# Altium PCB OAI_KPA_Power_Module.PcbDoc (part 2 of 3)
Units mm, origin at the board's own origin, x right, y up, seen from the top; angles counter-clockwise.
Board outline 150.02 x 64.8 mm, 4 copper layers (Top Layer, Mid-Layer 1, Internal Plane 2, Bottom Layer); 170 components, 188 nets, 852 pads, 320 vias.
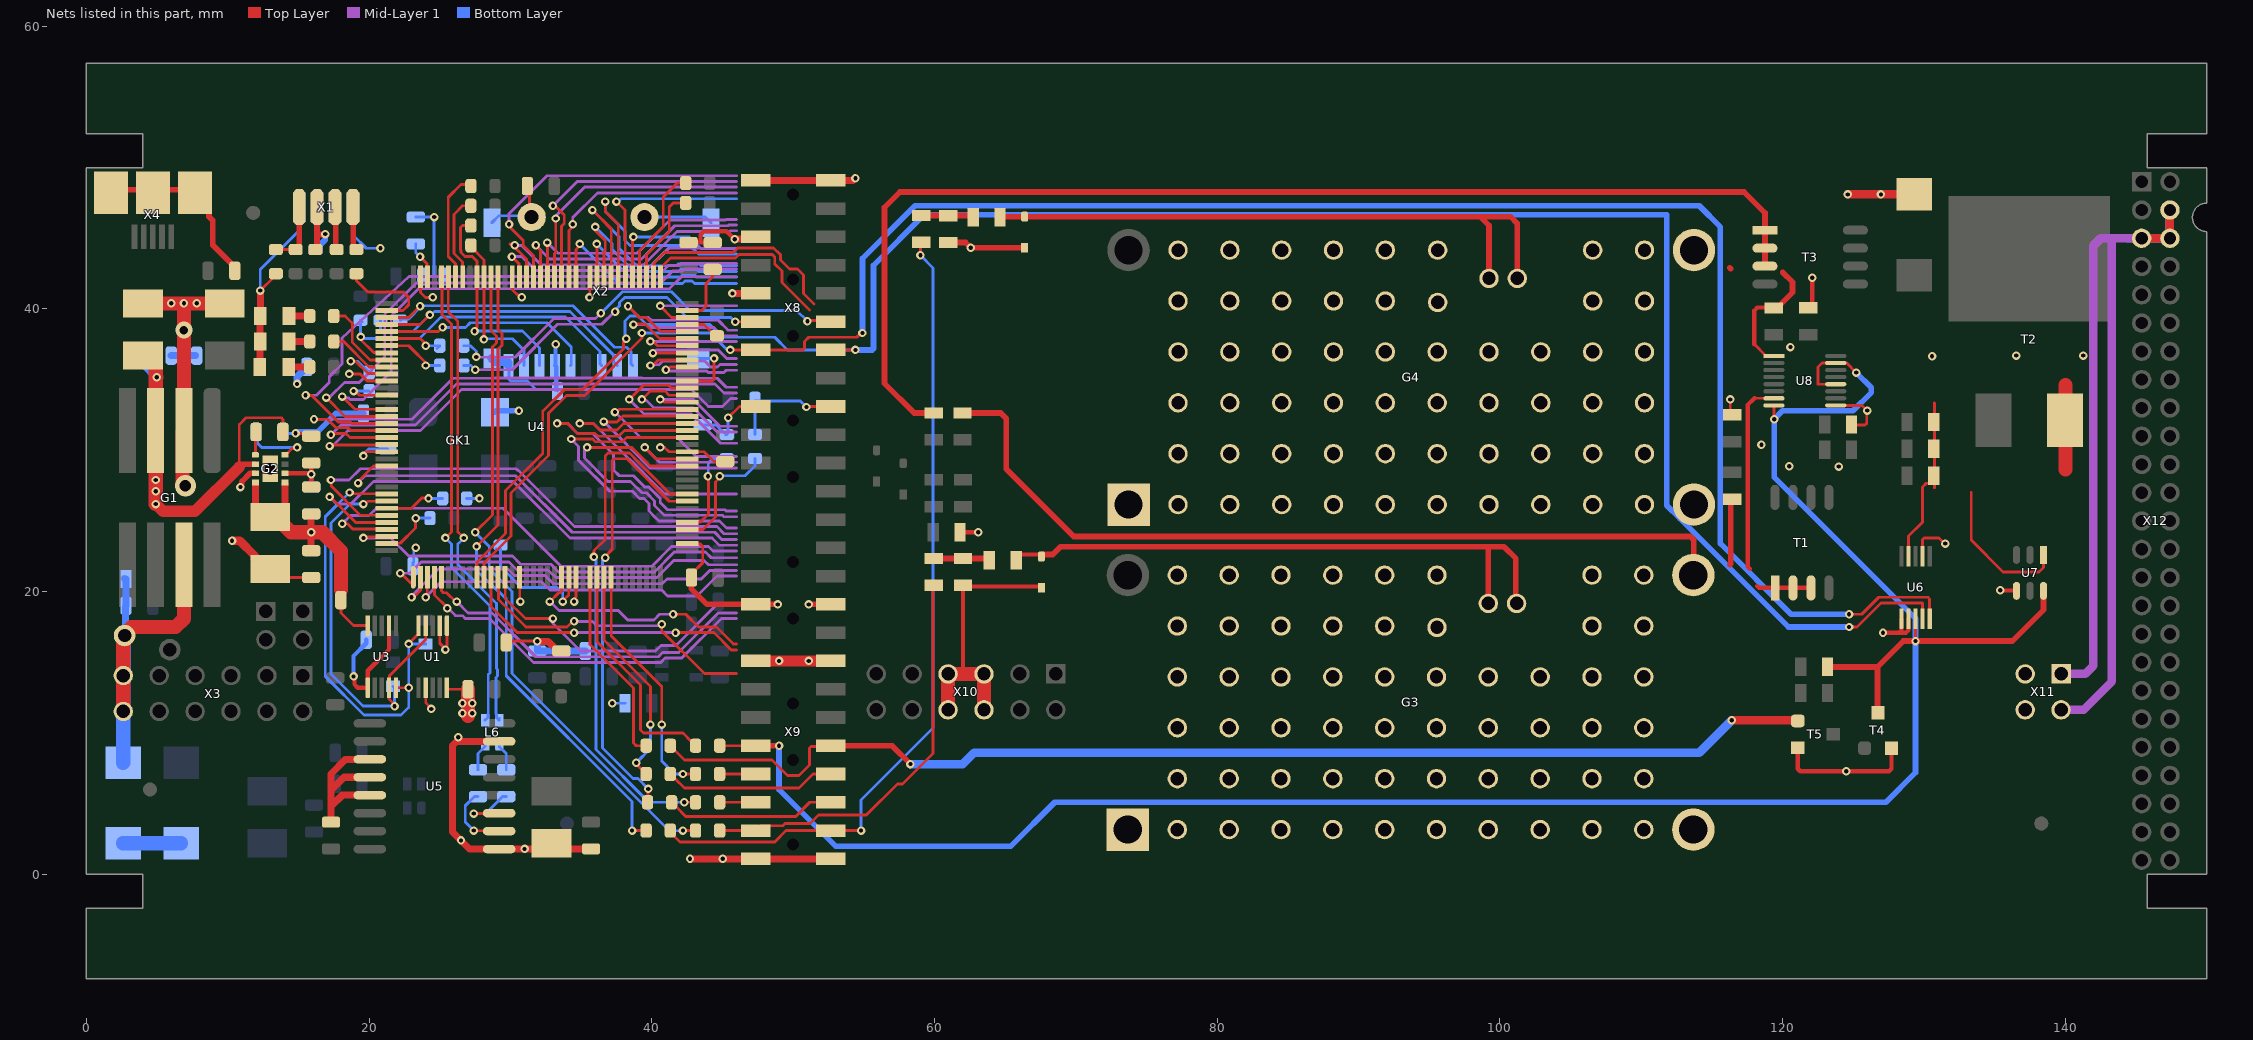
[diagram p4: the nets of this part, all layers, seen from the top]

## Via types
v1: diameter 0.6, hole 0.3, Top Layer to Bottom Layer, 287 vias
v2: diameter 0.8, hole 0.8, Top Layer to Bottom Layer, 30 vias
v3: diameter 1.1, hole 0.8, Top Layer to Bottom Layer, 1 vias
v4: diameter 1.5, hole 0.8, Top Layer to Bottom Layer, 1 vias
v5: diameter 1.2, hole 0.6, Top Layer to Bottom Layer, 1 vias

## Nets (pads, with @x,y where several pads share a name; then routed paths per layer and width w, separated by ;. In a path a pad name is that pad's centre, name@x,y a point inside that pad or via, vN(x,y) a via of type N, cw(c..) or ccw(c..) an arc to the next point about the centre after c; other vN are vias at no path point) (continued)
CAN_RX: R28.2 X8.11 | length 29.1
  Top Layer w0.2: v1@51.046,39.173 52.577,39.173 X8.11@52.65,39.1
  Mid-Layer 1 w0.2: v1@27.782,36.585 30.342,36.585 33.072,39.314 36.014,39.314 v1(36.4,39.7)
  Bottom Layer w0.2: R28.2@26.7,37.4 27.183,37.4 27.6,36.983 27.58,36.963 v1(27.58,36.61) ; v1(36.4,39.7) 37.915,41.215 41.385,41.215 42.7,39.9 50.246,39.9 v1(51.009,39.136)
CAN_RX_2: U4.73 | length 13.9
  Top Layer w0.2: U4.73@40.625,42.275 40.625,42.9 41.325,43.6 41.5,43.6 44.957,43.6 45.123,43.6 45.931,43.6 46.176,43.845 46.251,43.845 47.63,43.845 48.524,43.845 48.7,43.669 48.7,43.175 49.2,42.675 49.2,41.875 49.487,41.587 51.158,39.917
CAN_TX: R29.2 X8.12 | length 23.8
  Top Layer w0.2: v1(45.9,39.1) X8.12@47.35,39.1
  Mid-Layer 1 w0.2: v1(27.5,35.7) 30.124,35.7 33.338,38.914 36.462,38.914 37.349,39.8 v1(37.4,39.8)
  Bottom Layer w0.2: R29.2@26.7,36 27.2,36 v1(27.5,35.7) ; v1(37.4,39.8) 37.4,39.908 37.714,40.222 37.714,40.449 38.081,40.815 41.085,40.815 42.5,39.4 45.583,39.4 45.883,39.1 v1(45.9,39.1)
CAN_TX_2: U4.74 | length 15.4
  Top Layer w0.2: U4.74@40.125,42.275 40.15,42.3 40.15,43.25 40.9,44 45.765,44 46.084,44.319 ; 46.051,44.284 46.084,44.317 48.618,44.317 49.1,43.835 49.1,43.466 49.741,42.825 50.3,42.825 50.725,42.4 50.725,41.106 51.476,40.355
CLK_SDIO: U4.113 X2.5 | length 15.4
  Top Layer w0.2: U4.113@21.25,38.4 24.9,38.4 v1(25.2,38.7)
  Bottom Layer w0.2: v1(25.2,38.7) 26.829,38.7 27.153,39.024 32.594,39.024 34.3,37.318 34.3,36.045 X2.5@34.255,36
CMD_SDIO: R39.1 U4.116 X2.3 | length 23.4
  Top Layer w0.2: v1(19.4,38.019) 19.4,37.851 20.326,36.925 21.225,36.925 U4.116@21.25,36.9
  Bottom Layer w0.2: R39.1@19.4,39.2 19.5,39.1 19.4,39 19.4,37.9 23.551,37.9 25.051,39.4 25.08,39.4 25.104,39.424 33.891,39.424 36.332,36.983 36.332,36.123 X2.3@36.455,36
D0_SDIO: R41.1 U4.98 X2.8 | length 11.3
  Top Layer w0.2: R41.1@27.2,44.5 27.2,44.4 28.125,43.475 U4.98@28.125,42.275 28.125,37.846 v1(28.124,37.844)
  Bottom Layer w0.2: v1(28.124,37.844) 28.176,37.897 30.137,37.897 30.955,37.079 X2.8@30.955,36
D1_SDIO: R40.1 U4.99 X2.7 | length 15.3
  Top Layer w0.2: 26.455,44.175 26.455,45.755 26.61,45.91 27.19,45.91 R40.1@27.2,45.9 ; 26.456,44.175 26.5,44.131 26.5,43.993 26.793,43.7 27.3,43.7 27.625,43.375 27.625,38.701 27.456,38.532 v1(27.456,38.424)
  Bottom Layer w0.2: v1(27.456,38.424) 27.476,38.444 30.841,38.444 32.055,37.23 X2.7@32.055,36
D2_SDIO: R37.1 U4.111 X2.1 | length 21.9
  Top Layer w0.2: U4.111@21.25,39.4 22.8,39.4 v1(23.6,40.2)
  Bottom Layer w0.2: R37.1@22.2,39.2 22.3,39.3 22.8,39.3 23.6,40.1 v1(23.6,40.2) 23.624,40.224 34.415,40.224 37.347,37.292 38.218,37.292 38.528,36.983 38.528,36.127 X2.1@38.655,36
D3_SDIO: R38.1 U4.112 X2.2 | length 23.1
  Top Layer w0.2: U4.112@21.25,38.9 23.6,38.9 24.276,39.576 v1(24.3,39.576)
  Bottom Layer w0.2: R38.1@20.8,39.2 20.8,38.6 21,38.4 23.1,38.4 v1@24.241,39.541 ; v1(24.3,39.576) 24.369,39.576 24.617,39.824 34.205,39.824 37.305,36.724 37.305,36.25 X2.2@37.555,36
D_IN_1_N: R48.2 U5.11 | length 4.6
  Top Layer w0.2: v1(27.4,4.3) 27.415,4.315 29.185,4.315 U5.11@29.2,4.33
  Bottom Layer w0.2: v1(27.4,4.3) 28.25,4.3 29.45,5.5 R48.2@29.7,5.5
D_IN_1_P: R47.2 U5.10 | length 5
  Top Layer w0.2: v1(27.4,3.1) 27.42,3.08 29.18,3.08 U5.10@29.2,3.06
  Bottom Layer w0.2: v1(27.4,3.1) 26.8,3.7 26.8,4.85 27.45,5.5 R47.2@27.7,5.5
D_IN_2_N: L6.1 R48.1 | length 2
  Bottom Layer w0.2: L6.1@29.2,9.2 29.2,9.05 29.7,8.55 R48.1@29.7,7.4
D_IN_2_P: L6.4 R47.1 | length 2
  Bottom Layer w0.2: R47.1@27.7,7.4 27.7,8.55 28.2,9.05 L6.4@28.2,9.2
D_IN_3_N: L6.2 U4.103 | length 33.5
  Top Layer w0.2: U4.103@25.625,42.275 25.6,42.25 25.6,41.351 25.6,39.785 26.275,39.11 26.275,24.225 v1(26.7,23.8)
  Bottom Layer w0.2: v1@26.704,23.794 26.694,23.794 26.275,23.375 26.275,21.9 29.001,19.174 29.001,14.567 29.091,14.477 29.091,14.029 28.969,13.908 28.969,12.507 ; 28.97,12.506 28.97,11.367 29,11.337 29,11.1 L6.2@29.2,10.9 L6.2@29.2,11.05
D_IN_3_P: L6.3 U4.104 | length 33.4
  Top Layer w0.2: U4.104@25.125,42.275 25.15,42.25 25.15,39.599 25.825,38.924 25.825,24.225 v1(25.4,23.8)
  Bottom Layer w0.2: v1(25.4,23.8) 25.4,23.692 25.508,23.692 25.825,23.375 25.825,21.714 28.551,18.988 28.551,14.253 28.429,14.131 28.429,12.283 ; L6.3@28.2,10.9 28.4,11.1 28.4,11.337 28.43,11.367 28.43,12.283
DAC_MC_Out_1: R49.1 U4.40 | length 8.7
  Top Layer w0.2: U4.40@42.5,24.4 43.616,24.4 44.506,25.29 44.506,27.756 44.8,28.05 v1(44.8,28.158)
  Bottom Layer w0.2: v1(44.8,28.158) 44.842,28.2 46.6,28.2 47.3,28.9 R49.1@47.3,29.415
DAC_MC_Out_2: R50.1 U4.41 | length 6.8
  Top Layer w0.2: U4.41@42.5,24.9 42.525,24.925 43.425,24.925 44,25.5 44,28.131 v1(43.973,28.158)
  Bottom Layer w0.2: v1(43.973,28.158) 43.973,28.193 43.987,28.207 43.987,29.087 44.315,29.415 R50.1@45.3,29.415
DAC_OUT_1: C45.2 R49.2 X8.17 | length 7.9
  Top Layer w0.2: v1(50.935,33.065) 50.971,33.1 X8.17@52.65,33.1
  Bottom Layer w0.2: R49.2@47.3,31.115 C45.2@47.3,33.5 50.5,33.5 v1(50.935,33.065)
DAC_OUT_2: C46.2 R50.2 X8.18 | length 5.5
  Top Layer w0.2: v1(45.4,32.3) 46.2,33.1 X8.18@47.35,33.1
  Bottom Layer w0.2: C46.2@43.6,31.8 44.55,31.8 45.235,31.115 R50.2@45.3,31.115 45.4,31.215 v1(45.4,32.3)
GND: C10.2 C11.1 C12.1 C13.2 C14.2 C15.1 C16.1 C17.1 C18.2 C19.1 C22.1 C23.1 C24.1 C25.1 C26.1 C27.1 C28.1 C29.1 C30.1 C31.1 C32.1 C33.1 C34.1 C35.1 C36.1 C37.1 C38.1 C39.1 C40.2 C41.1 C47.2 C48.1 C49.1 D1.2 D2.2 D3.2 G1.2 G1.6 G2.3 G2.9 G3.2 G3.3 G4.2 G4.3 GK1.2 L2.1 L3.1 L7.2 pad.2 R13.1 R17.2 R42.2 R72.1 R73.1 R75.1 T4.2 T5.2 U1.1 U1.2 U1.7 U3.1 U3.7 U4.16 U4.24 U4.38 U4.51 U4.61 U4.83 U4.94 U4.107 U4.120 U4.130 U5.9 U5.15 U6.1 U6.2 U6.7 U7.4 U8.9 VD1.2 VD2.2 X1.B1 X1.B4 X2.6 X2.Gd X2.MP0 X3.11 X3.12 X8.1 X8.2 X8.6 X8.10 X9.1 X9.2 X9.5 X9.6 X9.19 X9.20 X10.5 X10.6 X10.7 X10.8 X11.1 X11.2 X11.3 X11.4 X12.4 X12.5 X12.6 | length 370.2
  Top Layer w0.2: v1(12.3,41.3) 13.2,42.2 13.2,42.4 R17.2@13.3,42.5 ; C18.2@13,21.6 13.6,21 C17.1@15.9,21 ; v1(14.8,31.2) 14.816,31.184 15.416,31.184 15.6,31 R13.1@15.9,31 ; v1(18.6,35.4) 19.372,35.4 19.872,34.9 U4.120@21.25,34.9 ; v1(19.6,29.6) 19.6,29.692 19.808,29.9 U4.130@21.25,29.9 ; U4.107@23.625,42.275 23.625,41.175 24,40.8 24.476,40.8 v1(24.5,40.824) ; U1.7@24,13.2 24,12.149 24.4,11.749 v1(24.4,11.7) ; U1.2@25,17.6 25,16.349 25.4,15.949 v1(25.4,15.9) ; v1@25.5,16.108 U1.1@25.5,17.6 ; C16.1@29.7,16.4 29.8,16.5 v1(31.9,16.5) ; U4.94@30.125,42.275 30.15,42.25 30.15,41.351 30.6,40.9 30.723,40.9 v1(30.8,40.824) ; U4.16@30.625,21.025 30.65,21 30.65,19.35 v1(30.7,19.3) ; C37.1@31.2,48.7 31.35,48.55 31.35,46.65 X2.MP0@31.5,46.5 ; v1@34.5,19.4 34.5,19.508 34.625,19.633 U4.24@34.625,21.025 ; v1(35.584,40.816) 35.612,40.844 35.612,42.263 U4.83@35.625,42.275 ; v1(40.6,30.2) 40.908,30.2 41.208,29.9 U4.51@42.5,29.9 43.7,29.9 44.4,29.2 C31.1@45.2,29.2 ; C39.1@42.404,44.8 C39.1@42.6,44.8 ; U4.38@42.5,23.4 42.525,23.375 43.424,23.375 43.6,23.199 43.6,22.05 42.8,21.25 C35.1@42.8,21 ; U4.61@42.5,34.9 44.283,34.9 44.4,35.017 v1(44.4,36.5) ; v1(116.3,33.6) 116.3,32.539 R73.1@116.332,32.507 ; R72.1@121.825,40.075 R72.1@122.1,40.35 ; U8.9@123.755,33.179 125.621,33.179 v1@126,32.8 ; R75.1@124.875,31.825 124.9,31.8 125.838,31.8 125.955,31.917 125.955,32.755 v1@126,32.8 ; v1(125.98,32.809) 125.989,32.8 v1@126,32.8 ; U6.7@129.9,22.5 129.9,23.683 130.017,23.8 131.051,23.8 131.451,23.4 v1(131.5,23.4)
  Top Layer w0.3: v1(18.9,14) 18.957,13.943 18.957,13.443 19.2,13.2 U3.1@19.9,13.2 19.9,14.4 21.4,15.9 U3.7@21.4,17.6 ; C39.1@42.6,44.7 43.45,44.7 ; C26.1@44.3,44.7 43.45,44.7 ; v1(45.858,44.931) 45.289,45.5 43.7,45.5 43.45,45.25 43.45,44.7 ; L7.2@61.9,24.2 v1(63.1,24.2) ; 62.23,14.18 62.012,14.398 C48.1@62.012,20.447 62.096,20.363 67.48,20.363 VD1.2@67.564,20.279 ; T5.2@121.071,8.956 121.071,7.471 121.247,7.295 124.495,7.295 v1(124.5,7.3) 127.52,7.3 127.696,7.476 T4.2@127.696,8.93 ; R72.1@122.1,40.35 v1(122.1,42.2) ; v1(127.1,17.1) 128.224,17.1 ; U6.1@128.4,18.1 128.4,17.276 128.224,17.1 ; U6.2@128.9,18.1 128.9,17.276 128.724,17.1 128.224,17.1 ; v1(135.4,20.1) 135.42,20.08 136.527,20.08 U7.4@136.547,20.06
  Top Layer w0.4: v1(10.898,27.398) 11,27.5 11,27.791 11.584,28.375 G2.3@11.95,28.375 ; C35.1@42.8,21 42.8,20.2 43.9,19.1 X9.2@47.35,19.1 v1(48.9,19.1) ; v1(51.1,19.1) X9.1@52.65,19.1 ; C49.1@60.96,44.704 60.964,44.7 62.2,44.7 v1(62.568,44.332) VD2.2@66.375,44.332
  Top Layer w0.5: D1.2@12.268,35.9 12.284,35.916 12.284,39.484 D2.2@12.3,39.5 v1(12.3,41.3) ; U5.15@29.2,9.41 26.19,9.41 25.897,9.117 25.897,8.703 25.9,8.7 25.9,3 27.11,1.79 U5.9@29.2,1.79 32.49,1.79 C40.2@32.9,2.2 33.3,1.8 C41.1@35.7,1.8 ; v1(31.9,16.5) 31.919,16.481 32.669,16.481 33.35,15.8 C27.1@33.6,15.8 ; v1(42.7,1.1) X9.20@47.35,1.1 X9.19@52.65,1.1 ; v1(45.7,41.1) X8.10@47.35,41.1 ; v1(45.858,44.931) 45.889,44.962 47.212,44.962 X8.6@47.35,45.1 ; X8.2@47.155,49.295 X8.2@47.35,49.1 X8.1@52.65,49.1 54.223,49.1 54.373,49.25 v1(54.4,49.25)
  Top Layer w0.6: v1(10.3,23.6) 10.851,23.6 11.9,22.551 11.9,22.3 12.6,21.6 C18.2@13,21.6 ; v1(124.6,48.1) C47.2@129.3,48.1 ; X12.5@145.4,45 X12.6@147.4,45 X12.4@147.4,47
  Top Layer w0.8: X9.6@47.35,15.1 X9.5@52.65,15.1
  Top Layer w1: X3.12@2.61,11.525 X3.11@2.61,14.065 2.61,16.914 3.196,17.5 6.314,17.5 6.9,18.086 G1.2@6.9,21.9 ; C13.2@4,40.383 v1@6.9,40.383 ; v4(7,27.5) 6.8,27.7 6.8,31.3 G1.6@6.9,31.4 v5(6.9,38.5) v1@6.9,40.383 ; C15.1@9.8,40.383 v1@6.9,40.383 ; X10.8@60.96,11.64 X10.7@60.96,14.18 62.23,14.18 X10.5@63.5,14.18 X10.6@63.5,11.64
  Mid-Layer 1 w0.6: X11.2@139.7,11.64 141.29,11.64 143.3,13.65 143.3,44.85 143.45,45 ; X11.1@139.7,14.18 141.405,14.18 141.975,14.75 141.975,44.474 142.501,45 143.45,45 ; X12.4@147.4,47 X12.6@147.4,45 X12.5@145.4,45 143.45,45
  Bottom Layer w0.2: v1(12.3,41.3) 12.3,42.793 15.056,45.549 X1.B1@15.056,47.206 ; C19.1@13.9,31.3 14,31.2 v1(14.8,31.2) ; X1.B4@18.866,47.206 18.9,47.172 18.9,45.2 19.8,44.3 v1(20.8,44.3) ; v1(19.6,29.6) 19.6,29.649 19.549,29.7 19.949,30.1 C34.1@21.3,30.1 ; C36.1@23.1,21.8 23.1,22.05 23.16,22.11 23.16,22.852 23.3,22.992 v1(23.3,23.112) ; C25.1@23.3,46.5 v1@24.583,46.5 ; C38.1@23.8,42.3 24.55,42.3 ; v1(24.6,46.5) 24.6,42.35 24.55,42.3 ; C32.1@25.3,42.3 24.55,42.3 ; R42.2@26.9,26.6 v1(27.8,26.6) ; X2.MP0@28.68,46.1 29.18,46.6 31.4,46.6 X2.MP0@31.5,46.5 ; X2.Gd@29.855,36 29.9,35.955 29.9,35.017 30.017,34.9 31.2,34.9 31.8,34.3 33.222,34.3 33.239,34.284 C28.1@33.322,34.2 ; v1(37.2,12.1) C30.1@38.1,12.1 ; X2.MP0@39.48,46.5 43.78,46.5 X2.MP0@44.18,46.1 ; X2.MP0@43.28,36.5 v1(44.4,36.5)
  Bottom Layer w0.3: v1(18.9,14) 18.9,15.45 19.8,16.35 C24.1@19.8,16.6 ; X2.6@33.155,36 33.178,36.023 33.178,37.478 v1(33.2,37.5) ; C28.1@33.239,34.284 X2.6@33.239,35.916
  Bottom Layer w0.4: v1(14.8,31.2) 14.838,31.238 14.98,31.238 15.041,31.3 16.336,31.3 17.636,32.6 C29.1@19.6,32.6 ; GK1.2@28.9,32.7 29,32.8 v1(30.6,32.8)
  Bottom Layer w0.5: L3.1@2.68,20.92 L3.1@2.8,20.8 ; pad.2@2.7,16.9 2.75,16.95 2.75,18.95 C11.1@2.8,19 L3.1@2.8,20.8 ; L3.1@2.8,20.9 L3.1@2.8,20.8 ; C12.1@6,36.7 6.85,36.7 ; v5(6.9,38.5) 6.9,36.75 6.85,36.7 ; C14.2@7.7,36.7 6.85,36.7 ; v1(14.9,34.7) 14.9,35.2 C33.1@15.6,35.9 ; v1(31.9,16.5) C23.1@31.9,15.805 C22.1@33.6,15.805 L2.1@35.3,15.805
  Bottom Layer w0.6: X2.MP0@28.68,36.5 28.93,36.25 29.805,36.25 29.855,36.2 X2.Gd@29.855,36 ; 144.406,45 X12.5@145.4,45 X12.6@147.4,45 X12.4@147.4,47
  Bottom Layer w1: C10.2@2.6,7.9 2.605,7.905 2.605,14.06 X3.11@2.61,14.065 2.655,14.11 2.655,16.855 pad.2@2.7,16.9
  other v1: 45.025,1.1 31,1.8 26.5,2.4 26.3,9.7 49,15.1 51.1,15.1 34.5,19.3 123.975,28.85 120.475,28.875 118.5,30.4 130.575,36.65 136.525,36.7 141.275,36.7 120.55,37.3 6,40.4 6.9,40.4 7.8,40.4 126.95,48.1
  other v3: 13,28.7
GPIO_1: R51.2 T5.1 X9.11 | length 84.1
  Top Layer w0.2: R51.2@41.3,9.1 41.3,9.054 41.592,8.762 41.638,8.762 42.3,8.1 48.5,8.1 49.6,7 50.4,7 51.147,7.747 51.147,8.939 51.264,9.056 52.606,9.056 X9.11@52.65,9.1
  Top Layer w0.4: X9.11@52.65,9.1 57,9.1 v1(58.298,7.802)
  Top Layer w0.6: v1(116.4,10.9) 121.027,10.9 T5.1@121.071,10.856
  Bottom Layer w0.6: v1(58.298,7.802) 58.3,7.8 62,7.8 62.8,8.6 114.1,8.6 v1(116.4,10.9)
GPIO_2: R52.2 R77.1 T4.3 U6.3 U7.6 U8.8 U8.12 U8.15 X9.12 | length 159.9
  Top Layer w0.2: R52.2@44.796,9.1 X9.12@47.35,9.1 ; U8.8@119.38,33.179 119.4,33.159 v1(119.4,32.2) ; U8.12@123.755,34.679 122.504,34.679 122.504,35.904 122.779,36.179 U8.15@123.755,36.179 123.765,36.169 124.531,36.169 v1(125.2,35.5) ; T4.3@126.709,11.467 T4.3@126.746,11.43 ; v1(129.4,16.508) U6.3@129.4,18.1
  Top Layer w0.4: X9.12@47.35,9.1 v1(49,9.1) ; R77.1@123.175,14.675 126.709,14.675 ; T4.3@126.709,11.467 126.709,14.675 ; v1(129.4,16.508) 128.542,16.508 126.709,14.675 ; v1@129.401,16.509 136.25,16.509 138.452,18.712 U7.6@138.452,20.06
  Bottom Layer w0.4: v1(49,9.1) 49.002,9.098 49.002,6.002 53.003,2 65.4,2 68.5,5.1 127.3,5.1 129.4,7.2 v1(129.4,16.508) 129.4,18.1 119.4,28.1 v1(119.4,32.2) 120,32.8 124.981,32.8 126.275,34.094 126.275,34.425 v1(125.2,35.5)
GPIO_3: R53.2 X9.13 | length 12.2
  Top Layer w0.2: R53.2@41.3,7.1 41.3,7.054 41.592,6.762 41.638,6.762 42.3,6.1 50.411,6.1 51.411,7.1 X9.13@52.65,7.1
GPIO_4: R54.2 X9.14 | length 2.6
  Top Layer w0.2: R54.2@44.796,7.1 X9.14@47.35,7.1
GPIO_5: R55.2 X9.15 | length 12.1
  Top Layer w0.2: R55.2@41.4,5.1 41.4,5.054 41.692,4.762 41.738,4.762 42.4,4.1 50.177,4.1 51.177,5.1 X9.15@52.65,5.1
GPIO_6: R56.2 X9.16 | length 2.6
  Top Layer w0.2: R56.2@44.796,5.1 X9.16@47.35,5.1
GPIO_7: R57.2 R68.2 X9.17 | length 58.5
  Top Layer w0.2: R57.2@41.3,3.1 41.3,3 42,2.3 48.7,2.3 49.5,3.1 X9.17@52.65,3.1 v1(54.8,3.1) ; v1(59,43.8) 59,44.364 59.2,44.564 R68.2@59.055,44.709
  Bottom Layer w0.2: v1(54.8,3.1) 54.8,5.249 59.9,10.349 59.9,42.9 v1(59,43.8)
GPIO_8: R58.2 R62.2 X9.18 | length 29.3
  Top Layer w0.2: R58.2@44.796,3.1 X9.18@47.35,3.1 47.695,3.445 49.279,3.445 49.434,3.6 51.2,3.6 51.8,4.2 55.169,4.2 57.369,6.4 57.744,6.4 59.9,8.556 59.9,20.403 R62.2@59.944,20.447
GPIO_9: U4.141 | length 34.1
  Top Layer w0.2: v1(18.1,24.8) 18.466,24.8 18.841,24.425 21.225,24.425 U4.141@21.25,24.4
  Mid-Layer 1 w0.2: v1(18.1,24.8) 18.684,25.384 19.996,25.384 20.512,25.9 29.482,25.9 33.582,21.8 40,21.8 41.4,23.2 44,23.2 44.322,22.878 46,22.878
GPIO_10: U4.142 | length 29.8
  Top Layer w0.2: v1(19.6,23.8) 19.675,23.875 21.225,23.875 U4.142@21.25,23.9
  Mid-Layer 1 w0.2: v1(19.6,23.8) 21.519,23.8 22.806,22.512 30.139,22.512 30.71,21.941 32.859,21.941 33.4,21.4 40.19,21.4 41.59,22.8 43.8,22.8 44.2,22.4 46,22.4
GPIO_11: U4.1 | length 26.7
  Top Layer w0.2: v1(22.2,21.3) 22.256,21.3 22.956,20.6 23.125,20.769 U4.1@23.125,21.025
  Mid-Layer 1 w0.2: v1(22.2,21.3) 22.893,21.3 23.693,22.1 29.9,22.1 30.459,21.541 32.659,21.541 33.2,21 40.356,21 41.556,22.2 43.7,22.2 44,21.9 46,21.9
GPIO_12: U4.2 | length 26.5
  Top Layer w0.2: v1(23,19.6) 23.151,19.6 23.625,20.074 U4.2@23.625,21.025
  Mid-Layer 1 w0.2: v1(23,19.6) 23,19.695 24.905,21.6 29.834,21.6 30.293,21.141 32.459,21.141 33.038,20.562 40.728,20.562 41.066,20.9 43.5,20.9 44.1,21.5 46,21.5
GPIO_13: U4.3 | length 24.9
  Top Layer w0.2: v1(24,19.6) 24.112,19.712 24.112,21.013 U4.3@24.125,21.025
  Mid-Layer 1 w0.2: v1(24,19.6) 25.1,20.7 32.207,20.7 32.785,20.122 40.698,20.122 41.12,19.7 43.2,19.7 44.6,21.1 46,21.1
GPIO_14: U4.4 | length 25.9
  Top Layer w0.2: U4.4@24.625,21.025 24.625,19.775 25.534,18.866 v1(25.534,18.834)
  Mid-Layer 1 w0.2: v1(25.534,18.834) 25.566,18.834 26.098,18.302 26.598,18.302 26.8,18.1 28.52,18.1 31.62,15 40.631,15 40.932,15.301 42.122,15.301 44.921,18.1 46,18.1
GPIO_15: U4.5 | length 25.1
  Top Layer w0.2: U4.5@25.125,21.025 25.125,20.042 25.242,19.925 25.475,19.925 26.1,19.3 v1(26.2,19.3)
  Mid-Layer 1 w0.2: v1(26.2,19.3) 27,18.5 28.686,18.5 31.786,15.4 40.466,15.4 40.767,15.701 41.899,15.701 44.698,18.5 46,18.5
GPIO_16: U4.58 | length 8.2
  Top Layer w0.2: v1(40.6,33.6) 40.708,33.6 40.908,33.4 U4.58@42.5,33.4
  Mid-Layer 1 w0.2: v1(40.6,33.6) 42.932,33.6 44.832,31.7 46,31.7
GPIO_17: U4.59 | length 11.2
  Top Layer w0.2: v1(39.3,33.6) 39.9,34.2 40.926,34.2 41.226,33.9 U4.59@42.5,33.9
  Mid-Layer 1 w0.2: v1(39.3,33.6) 39.377,33.523 39.617,33.523 40.148,32.993 42.935,32.993 44.628,31.3 46,31.3
GPIO_18: U4.60 | length 13.5
  Top Layer w0.2: v1(38.4,33.6) 39.4,34.6 41.2,34.6 41.4,34.4 U4.60@42.5,34.4
  Mid-Layer 1 w0.2: v1(38.4,33.6) 39.442,32.558 42.784,32.558 44.342,31 44.349,31 44.849,30.5 46,30.5
GPIO_19: U4.63 | length 6.7
  Top Layer w0.2: v1(41,35.7) 41.108,35.7 41.308,35.9 U4.63@42.5,35.9
  Mid-Layer 1 w0.2: v1(41,35.7) 41.1,35.6 43.886,35.6 43.986,35.5 45.101,35.5 45.265,35.665 46,35.665
GPIO_20: U4.64 | length 9.2
  Top Layer w0.2: v1(39.9,36) 40.051,36 40.451,36.4 U4.64@42.5,36.4
  Mid-Layer 1 w0.2: v1(39.9,36) 39.949,36.049 40.5,36.049 40.751,36.3 43.751,36.3 44.151,35.9 44.648,35.9 44.813,36.065 46,36.065
GPIO_21: U4.65 | length 8.7
  Top Layer w0.2: v1(40.081,36.878) 42.478,36.878 U4.65@42.5,36.9
  Mid-Layer 1 w0.2: v1(40.081,36.878) 40.303,37.1 44.699,37.1 45.299,36.5 46,36.5
GPIO_22: U4.66 | length 9.1
  Top Layer w0.2: v1(39.9,37.7) 39.9,37.892 39.916,37.892 40.408,37.4 U4.66@42.5,37.4
  Mid-Layer 1 w0.2: v1(39.9,37.7) 45.299,37.7 46,37.7
GPIO_23: U4.67 | length 11.9
  Top Layer w0.2: v1(38.7,38.9) 38.741,38.941 39.507,38.941 40.549,37.9 U4.67@42.5,37.9
  Mid-Layer 1 w0.2: v1(38.7,38.9) 39.617,38.9 39.817,38.7 44.4,38.7 45,38.1 45.234,38.1 46,38.1
GPIO_24: U4.68 | length 13.3
  Top Layer w0.2: v1(38.314,40.2) 39.107,39.407 39.607,39.407 40.614,38.4 U4.68@42.5,38.4
  Mid-Layer 1 w0.2: v1(38.314,40.2) 39.123,39.392 39.764,39.392 39.958,39.197 44.703,39.197 45.4,38.5 46,38.5
GPIO_25: U4.56 | length 16.9
  Top Layer w0.2: v1(36.6,32.033) 36.633,32 37.53,32 37.73,32.2 37.733,32.2 37.958,32.425 42.475,32.425 U4.56@42.5,32.4
  Mid-Layer 1 w0.2: v1(36.6,32.033) 39.875,28.758 46,28.758
GPIO_26: U4.57 | length 15.1
  Top Layer w0.2: v1(37.392,32.708) 37.516,32.708 37.708,32.9 U4.57@42.5,32.9
  Mid-Layer 1 w0.2: v1(37.392,32.708) 39.2,30.9 41.8,30.9 43.142,29.558 46,29.558
GPIO_27: U4.87 | length 18.4
  Top Layer w0.2: v1(33,47.3) 33.149,47.3 33.8,46.649 33.8,46.049 33.6,45.849 33.6,43.1
  Mid-Layer 1 w0.2: v1(33,47.3) 34.722,49.022 46,49.022
GPIO_28: U4.88 | length 18
  Top Layer w0.2: U4.88@33.125,42.275 33.125,43.924 33.2,43.999 v1(33.2,46.4)
  Mid-Layer 1 w0.2: v1(33.2,46.4) 33.2,46.572 35.25,48.622 46,48.622
GPIO_29: U4.89 | length 17.1
  Top Layer w0.2: v1(32.6,44.7) 32.613,44.688 32.613,42.287 U4.89@32.625,42.275
  Mid-Layer 1 w0.2: v1(32.6,44.7) 33.36,43.94 36.489,43.94 36.492,43.944 38.944,43.944 41.283,46.283 41.451,46.283 45.203,46.283 45.251,46.331 46,46.331
GPIO_30: U4.90 | length 17.9
  Top Layer w0.2: v1(31.8,44.5) 31.8,44.449 32.125,44.124 U4.90@32.125,42.275
  Mid-Layer 1 w0.2: v1(31.8,44.5) 32.76,43.54 39.275,43.54 41.617,45.883 45.368,45.883 45.417,45.931 46,45.931
GPIO_31: U4.91 | length 22.4
  Top Layer w0.2: v1(29.9,46) 29.9,45.849 30.9,44.849 30.9,44.5 31.625,43.775 U4.91@31.625,42.275
  Mid-Layer 1 w0.2: v1(29.9,46) 29.9,46.738 32.584,49.422 46,49.422
GPIO_32: U4.92 | length 20.5
  Top Layer w0.2: 29.967,44.587 30.213,44.587 v1(30.3,44.5) ; 29.99,44.61 30.038,44.61 31.125,43.524 U4.92@31.125,42.275
  Mid-Layer 1 w0.2: v1(30.3,44.5) 30.8,44.5 32.178,43.122 39.422,43.122 41.783,45.483 45.534,45.483 45.582,45.531 46,45.531
GPIO_33: U4.93 | length 18.8
  Top Layer w0.2: v1@29.9,43.7 29.977,43.623 30.176,43.623 30.6,43.199 30.6,42.3 U4.93@30.625,42.275
  Mid-Layer 1 w0.2: v1(30.1,43.7) 30.8,43.7 31.79,42.71 39.61,42.71 41.2,44.3 46,44.3
GPIO_34: U4.124 | length 37.4
  Top Layer w0.2: v1(18.1,33.8) 19,32.9 U4.124@21.25,32.9
  Mid-Layer 1 w0.2: v1(18.1,33.8) 18.177,33.723 18.521,33.723 18.651,33.593 19.593,33.593 21.568,35.568 21.568,39.503 23.498,41.432 40.798,41.432 40.801,41.436 41.252,41.436 42.099,42.282 46,42.282
GPIO_35: U4.125 | length 39.4
  Top Layer w0.2: v1(16.965,33.735) 18.3,32.4 U4.125@21.25,32.4
  Mid-Layer 1 w0.2: v1(16.965,33.735) 17.031,33.8 17.251,33.8 18.251,34.8 19.3,34.8 21.1,36.6 21.1,39.6 23.332,41.832 40.632,41.832 41.482,42.682 42.161,42.682 42.304,42.825 46,42.825
GPIO_36: U4.126 | length 42.1
  Top Layer w0.2: v1(15.5,33.9) 15.914,33.9 17.814,32 18.68,32 18.78,31.9 U4.126@21.25,31.9
  Mid-Layer 1 w0.2: v1(15.5,33.9) 16.282,33.9 17.182,34.8 17.182,35.2 18.083,36.1 18.083,37.95 22.833,42.3 40.4,42.3 41.182,43.082 41.919,43.082 42.062,43.225 46,43.225
GPIO_37: U4.127 | length 36.8
  Top Layer w0.2: v1(16.1,32.2) 17.049,32.2 17.649,31.6 18.514,31.6 18.714,31.4 U4.127@21.25,31.4
  Mid-Layer 1 w0.2: v1(16.1,32.2) 23.04,32.2 25.94,35.1 28.9,35.1 28.905,35.105 39.295,35.105 39.3,35.1 43.82,35.1 44.63,35.1 45.265,34.465 46,34.465
GPIO_38: U4.128 | length 34.6
  Top Layer w0.2: v1(17.3,31.1) 17.4,31.2 18.349,31.2 18.649,30.9 U4.128@21.25,30.9
  Mid-Layer 1 w0.2: v1(17.3,31.1) 18,31.8 23.291,31.8 26.191,34.7 43.654,34.7 44.464,34.7 45.101,34.063 45.397,34.063 45.399,34.065 46,34.065
GPIO_39: U4.129 | length 35.3
  Top Layer w0.2: v1(17.2,30.3) 17.275,30.375 21.225,30.375 U4.129@21.25,30.4
  Mid-Layer 1 w0.2: v1(17.2,30.3) 17.277,30.376 17.47,30.376 18.493,31.4 23.636,31.4 26.536,34.3 42.797,34.3 43.997,33.1 45,33.1 45.565,33.665 46,33.665
GPIO_40: U4.132 | length 31.5
  Top Layer w0.2: v1(19.214,27.686) 19.214,27.8 20.314,28.9 U4.132@21.25,28.9
  Mid-Layer 1 w0.2: v1(19.214,27.686) 19.214,27.714 19.7,28.2 30.366,28.2 34.366,24.2 44.447,24.2 44.947,23.7 46,23.7
GPIO_41: U4.77 | length 10.5
  Top Layer w0.2: U4.77@38.625,42.275 38.625,45 38.725,45.1 v1(38.7,45.1)
  Bottom Layer w0.2: v1(38.7,45.1) 42.653,45.1 43.471,44.283 46,44.283
GPIO_42: U4.78 | length 14.2
  Top Layer w0.2: v1(37.5,47.6) 38.1,47 38.1,44.851 38.125,44.826 U4.78@38.125,42.275
  Bottom Layer w0.2: v1(37.5,47.6) 37.608,47.6 37.808,47.8 46,47.8
GPIO_43: U4.79 | length 17.3
  Top Layer w0.2: v1(36.7,47.6) 36.7,46.9 37.625,45.975 U4.79@37.625,42.275
  Bottom Layer w0.2: v1(36.7,47.6) 36.7,46.9 38.1,45.5 38.1,45.349 38.1,44.851 38.451,44.5 42.688,44.5 43.305,43.883 46,43.883
GPIO_44: U4.80 | length 17.7
  Top Layer w0.2: v1(35.8,47) 37.125,45.675 U4.80@37.125,42.275
  Bottom Layer w0.2: v1(35.8,47) 37.7,45.1 37.7,44.266 38.908,43.058 41.725,43.058 41.854,43.188 43.346,43.188 43.475,43.058 46,43.058
GPIO_45: U4.81 | length 15.5
  Top Layer w0.2: v1(36,45.8) 36,45.549 36.7,44.849 36.7,44.151 36.625,44.076 U4.81@36.625,42.275
  Bottom Layer w0.2: v1(36,45.8) 37.177,44.623 37.177,44.223 38.742,42.658 41.89,42.658 42.02,42.788 43.18,42.788 43.31,42.658 46,42.658
GPIO_46: U4.82 | length 13.3
  Top Layer w0.2: v1@36.111,44.601 36.111,42.289 U4.82@36.125,42.275
  Bottom Layer w0.2: v1(36.1,44.6) 38.442,42.258 42.056,42.258 42.186,42.388 43.014,42.388 43.144,42.258 46,42.258
GPIO_47: U4.85 | length 15.1
  Top Layer w0.2: U4.85@34.625,42.275 34.625,44.217 34.9,44.492 v1(34.9,44.6)
  Mid-Layer 1 w0.2: v1@34.9,44.4 v1(34.9,44.6)
  Bottom Layer w0.2: v1(34.9,44.6) 37.7,41.8 42.164,41.8 42.351,41.988 42.849,41.988 43.036,41.8 46,41.8
GPIO_48: U4.86 | length 16.6
  Top Layer w0.2: U4.86@34.125,42.275 34.15,42.3 34.15,45.55 34.4,45.8 v1(34.4,46)
  Mid-Layer 1 w0.2: v1(34.4,46) 34.4,46.449 36.151,48.2 46,48.2
GPIO_49: U4.22 | length 17
  Top Layer w0.2: v1(32.785,19.3) 33.41,19.925 33.508,19.925 33.625,20.042 U4.22@33.625,21.025 U4.22@33.6,20.963 ; v1(41.5,18.4) 42.4,18.4 43.3,17.5 44.566,17.5 45.766,16.3 46,16.3
  Mid-Layer 1 w0.2: v1(32.785,19.3) 33.428,18.657 37.627,18.657 38.294,17.99 40.142,17.99 40.551,18.4 v1(41.5,18.4)
GPIO_50: U4.49 | length 21.2
  Top Layer w0.2: v1(35.422,30.2) 38.58,30.2 39.4,29.38 39.4,29.366 39.866,28.9 U4.49@42.5,28.9
  Mid-Layer 1 w0.2: v1(35.422,30.2) 35.343,30.2 35.226,30.083 35.226,29.458 36.884,27.8 38.5,27.8 39.3,27 39.614,27 40.2,26.414 40.2,26.1 40.9,25.4 44.997,25.4 45.097,25.3 46,25.3
GPIO_51: U4.50 | length 10.3
  Top Layer w0.2: v1(39.5,30.2) 40.3,29.4 U4.50@42.5,29.4
  Mid-Layer 1 w0.2: v1(39.5,30.2) 40.542,29.158 46,29.158
GPIO_52: U4.53 | length 23.6
  Top Layer w0.2: v1(34.3,30.8) 35.82,30.8 36.02,30.6 37.91,30.6 38.21,30.9 U4.53@42.5,30.9
  Mid-Layer 1 w0.2: v1(34.3,30.8) 34.822,30.278 34.822,29.296 37.018,27.1 38.634,27.1 39.134,26.6 39.449,26.6 39.8,26.249 39.8,25.7 40.2,25.3 40.5,25 44.778,25 45.278,24.5 46,24.5
GPIO_53: U4.54 | length 25.8
  Top Layer w0.2: v1(33.3,31.9) 34.051,31.9 34.751,31.2 35.986,31.2 36.186,31 37.661,31 38.061,31.4 U4.54@42.5,31.4
  Mid-Layer 1 w0.2: v1(33.3,31.9) 34.049,31.9 34.749,31.2 35.8,31.2 37.3,29.7 37.3,28.6 37.7,28.2 38.7,28.2 39.5,27.4 39.78,27.4 40.6,26.58 40.6,26.3 41.1,25.8 45.163,25.8 45.263,25.7 45.351,25.7 45.848,25.7 46,25.7
GPIO_54: U4.55 | length 21.2
  Top Layer w0.2: v1(34.9,31.9) 35.851,31.9 36.318,31.433 37.528,31.433 37.895,31.8 37.898,31.8 37.998,31.9 U4.55@42.5,31.9
  Mid-Layer 1 w0.2: v1(34.9,31.9) 35.885,31.9 40.885,26.9 46,26.9
GPIO_55: U4.139 | length 36.2
  Top Layer w0.2: v1(17.3,27.9) 17.316,27.884 17.316,27.467 19.383,25.4 U4.139@21.25,25.4
  Mid-Layer 1 w0.2: v1(17.3,27.9) 18.58,27.9 19.38,28.7 30.382,28.7 30.482,28.6 30.531,28.6 34.531,24.6 44.613,24.6 45.113,24.1 46,24.1
GPIO_56: U4.140 | length 36.3
  Top Layer w0.2: v1(17.2,26.7) 17.258,26.7 19.058,24.9 U4.140@21.25,24.9
  Mid-Layer 1 w0.2: v1(17.2,26.7) 17.7,26.2 18.7,26.2 20.3,27.8 30.2,27.8 34.2,23.8 44.269,23.8 44.791,23.278 46,23.278
GPIO_57: U4.14 | length 20.9
  Top Layer w0.2: U4.14@29.625,21.025 29.625,19.526 31.051,18.1 v1(33,18.1)
  Mid-Layer 1 w0.2: v1(33,18.1) 33,17.751 34.951,15.8 40.244,15.8 40.644,16.2 41.7,16.2 44.5,19 46,19
GPIO_58: U4.70 | length 7.7
  Top Layer w0.2: v1(40.6,40.215) 40.6,40.2 41.4,39.4 U4.70@42.5,39.4
  Mid-Layer 1 w0.2: v1@40.6,40.2 40.627,40.227 46,40.227 ; v1(40.6,40.215) v1@40.608,40.208
GPIO_59: U4.12 | length 20.7
  Top Layer w0.2: U4.12@28.625,21.025 28.625,18.959 30.484,17.1 v1(34.5,17.1) ; v1(41.682,17.1) 44.4,17.1 45.617,15.883 46,15.883
  Mid-Layer 1 w0.2: v1(34.5,17.1) v1(41.682,17.1)
GPIO_60: U4.13 | length 20.5
  Top Layer w0.2: 29.15,20.2 29.15,19.436 31.086,17.5 33.992,17.5 34.392,17.9 v1(34.5,17.9) ; v1(40.7,17.7) 40.7,17.226 43.726,14.2 46,14.2
  Mid-Layer 1 w0.2: v1(34.5,17.9) 35.8,17.9 36.11,17.59 40.59,17.59 v1(40.7,17.7)
GPIO_CPU_1: R51.1 U4.26 | length 14
  Top Layer w0.2: U4.26@35.625,21.025 35.625,16.254 38.7,13.179 38.7,9.3 38.9,9.1 R51.1@39.6,9.1
GPIO_CPU_2: R52.1 U4.27 | length 16.5
  Top Layer w0.2: U4.27@36.125,21.025 36.125,16.461 39.187,13.399 39.187,10.213 39.4,10 42.196,10 42.758,9.438 42.804,9.438 43.096,9.146 R52.1@43.096,9.1
GPIO_CPU_3: R53.1 U4.28 | length 16
  Top Layer w0.2: U4.28@36.625,21.025 36.625,16.574 39.9,13.299 v1(39.9,10.6) ; v1(38.9,7.9) 38.9,7.8 R53.1@39.6,7.1
  Bottom Layer w0.2: v1(38.9,7.9) 39.9,8.9 v1(39.9,10.6)
GPIO_CPU_4: R54.1 U4.29 | length 17.3
  Top Layer w0.2: U4.29@37.125,21.025 37.125,16.875 40.7,13.3 v1(40.7,10.6) ; v1(42.2,7.1) R54.1@43.096,7.1
  Bottom Layer w0.2: v1(40.7,10.6) 40.7,8.019 41.619,7.1 v1(42.2,7.1)
GPIO_CPU_5: R55.1 U4.44 | length 32.8
  Top Layer w0.2: v1(36.7,22.4) v1@36.7,22.5 ; v1@36.8,22.4 v1@36.7,22.5 ; R55.1@39.7,5.1 39.721,5.121 39.721,6.021 v1(39.743,6.043) ; U4.44@42.5,26.4 41.234,26.4 38.6,29.034 38.6,29.049 38.249,29.4 37.317,29.4 37.2,29.283 37.2,23 v1@36.7,22.5
  Bottom Layer w0.2: v1(36.7,22.4) 36.5,22.2 36.5,8.951 38.676,6.775 39.01,6.775 v1(39.743,6.043)
GPIO_CPU_6: R56.1 U4.45 | length 36.8
  Top Layer w0.2: v1(35.9,22.46) 35.9,22.9 36.7,23.7 36.7,29.6 36.9,29.8 38.414,29.8 39,29.214 39,29.2 41.3,26.9 U4.45@42.5,26.9 ; v1(42.3,5.1) R56.1@43.096,5.1
  Bottom Layer w0.2: v1(35.9,22.46) 36.056,22.304 36.056,8.83 39.786,5.1 v1(42.3,5.1)
GPIO_CPU_7: R57.1 U4.96 | length 45.6
  Top Layer w0.2: v1@27.592,23.185 29.125,24.718 29.125,37.155 29.4,37.43 29.4,38.258 29.125,38.533 U4.96@29.125,42.275 ; v1(38.6,3.1) R57.1@39.6,3.1
  Bottom Layer w0.2: v1(27.6,23.2) 27.6,21.5 29.7,19.5 29.7,14.054 38.6,5.154 v1(38.6,3.1)
GPIO_CPU_8: R58.1 U4.97 | length 47.5
  Top Layer w0.2: v1(27.5,24.2) 28.725,25.425 28.725,37.321 29,37.596 29,38.093 28.625,38.468 U4.97@28.625,42.275 ; v1(42.2,3.1) R58.1@43.096,3.1
  Bottom Layer w0.2: v1(27.5,24.2) 28.5,23.2 28.5,21.6 30.1,20 30.1,14.22 41.24,3.08 v1@42.22,3.08
I2C_CLK: U4.11 U6.5 X8.14 | length 148.9
  Top Layer w0.2: U4.11@28.125,21.025 28.125,22.025 30.046,23.946 30.046,26.978 32.7,29.632 32.7,32.619 33.966,33.885 35.251,33.885 39.3,37.934 v1(39.3,38.3) ; v1(45.548,37.1) X8.14@47.35,37.1 49.7,37.1 50.683,37.1 50.8,37.217 50.8,37.7 51.1,38 54.5,38 54.8,38.3 v1(54.9,38.3) ; v1(124.7,18.4) 125.6,18.4 126.8,19.6 130.283,19.6 130.4,19.483 U6.5@130.4,18.1
  Bottom Layer w0.2: v1(39.3,38.3) 44.137,38.3 45.337,37.1 v1(45.548,37.1)
  Bottom Layer w0.4: v1(54.9,38.3) 54.9,43.573 58.627,47.3 114.1,47.3 115.598,45.802 115.598,23.402 120.6,18.4 v1(124.7,18.4)
I2C_DIO: U4.10 U6.4 X8.13 | length 151.3
  Top Layer w0.2: U4.10@27.625,21.025 27.625,22.091 29.646,24.112 29.646,27.148 32.289,29.791 32.289,32.774 33.8,34.285 35.085,34.285 37.985,37.185 37.985,37.685 v1(38.192,37.892) ; X8.13@52.65,37.1 v1(54.4,37.1) ; v1(124.7,17.5) 125.266,17.5 126.966,19.2 129.883,19.2 129.9,19.183 U6.4@129.9,18.1
  Bottom Layer w0.2: v1(38.192,37.892) 38.1,37.985 38.1,39.148 38.451,39.5 39.024,39.5 39.624,38.9 44.103,38.9 45.003,38 48.7,38 49.6,37.1 v1(54.4,37.1) ; 55.586,37.1 55.684,37.199
  Bottom Layer w0.4: v1(54.4,37.1) 55.586,37.1 ; 55.684,37.199 55.684,43.084 59.264,46.664 111.807,46.664 111.807,26.103 112.738,25.172 120.41,17.5 v1(124.7,17.5)
I2C_SCL: R35.1 U1.5 U3.5 U4.136 | length 31.8
  Top Layer w0.2: v1(18.616,27.016) 18.706,26.925 21.225,26.925 U4.136@21.25,26.9 ; U3.5@21.9,13.2 v1(22.8,13.2) ; v1(22.8,16.3) 22.8,16.325 23.5,17.025 U1.5@23.5,17.6
  Bottom Layer w0.2: v1(18.616,27.016) 16.9,25.3 16.9,14.011 19.641,11.27 22.258,11.27 22.798,11.81 22.798,13.39 22.808,13.4 22.8,13.408 v1(22.8,16.3) R35.1@24,16.3
I2C_SDA: R34.1 U1.4 U3.4 U4.137 | length 28.4
  Top Layer w0.2: v1(19.6,26.2) 19.708,26.2 19.908,26.4 U4.137@21.25,26.4 ; U3.4@21.4,12.5 21.4,12.4 21.8,12 v1(21.8,11.9) ; U3.4@21.4,13.2 21.45,13.25 21.45,14.05 24,16.6 U1.4@24,17.6
  Bottom Layer w0.2: v1(19.6,26.2) 18.651,26.2 17.3,24.849 17.3,14.177 19.577,11.9 v1(21.8,11.9) 21.8,13.2 R34.1@21.7,13.3
JTDI: R22.2 U4.110 | length 6.9
  Top Layer w0.2: R22.2@19.1,42.5 19.1,42 19.9,41.2 22.4,41.2 22.8,40.8 22.8,40.3 22.4,39.9 U4.110@21.25,39.9
LED_MCU_Connection: R33.2 U4.118 | length 4.5
  Top Layer w0.2: R33.2@17.5,37.7 18.203,37.7 20.003,35.9 U4.118@21.25,35.9
LED_MCU_State: R30.2 U4.117 | length 5.8
  Top Layer w0.2: R30.2@17.5,39.5 17.505,39.495 18.306,39.495 18.8,39 18.8,37.669 20.069,36.4 U4.117@21.25,36.4
NetC9_2: C9.2 C10.1 | length 4.1
  Bottom Layer w1: C10.1@2.6,2.2 C9.2@6.7,2.2
NetC12_2: C12.2 C13.1 G1.7 G2.2 R9.1 R10.2 U1.10 | length 32.1
  Top Layer w0.2: 10.818,28.825 10.818,31.818 11.3,32.3 13.783,32.3 13.9,32.183 R10.2@13.9,31.3 ; U1.10@25.5,13.2 25.5,13.15 25.55,13.1 R9.1@27,13.1
  Top Layer w0.4: 10.821,28.821 11.025,29.025 G2.2@11.95,29.025
  Top Layer w0.8: v1(4.9,26.2) 5.415,25.685 7.685,25.685 10.821,28.821
  Top Layer w1: C13.1@4.4,36.776 4.9,36.276 4.9,35.1 G1.7@4.9,31.4 v1(4.9,27.9) v1(4.9,27.1) v1(4.9,26.2) ; v1@4.9,35.167 v1(4.967,35.167) ; 27,11.2 R9.1@27,13.1
  Bottom Layer w0.6: C12.2@4.1,36.7 4.1,36.035 v1(4.967,35.167)
  other v1: 26.6,11.4 27.3,11.4 26.6,12.1 27.3,12.1
NetC17_2: C17.2 C18.1 G2.4 G2.5 R11.2 R12.2 R15.1 U3.10 | length 21.5
  Top Layer w0.2: R15.1@18,19.4 18,18.5 18.9,17.6 U3.10@19.9,17.6
  Top Layer w0.5: C18.1@11.95,25.933 G2.4@11.95,27.625 ; C18.1@11.95,26.033 12.7,25.283 C18.1@13,25.283 ; C18.1@13.3,25.283 14.05,26.033 G2.5@14.05,27.625 ; C17.2@15.9,22.9 v1(15.9,24.2) R12.2@15.9,25.5
  Top Layer w1: C18.1@13,25.283 13.3,25.283 13.4,25.283 14.483,24.2 v1(15.9,24.2) 16.68,24.2 18.011,22.869 18.011,20.118
  Bottom Layer w0.3: v1(15.9,24.2) R11.2@15.9,25.5
NetC19_2: C19.2 G2.8 | length 4.8
  Top Layer w0.2: G2.8@14.05,29.675 14.1,29.675 14.548,30.123 14.823,30.123 v1(14.9,30.2)
  Bottom Layer w0.2: C19.2@12,31.3 12.1,31.2 12.1,30.5 12.4,30.2 v1(14.9,30.2)
NetC25_2: C25.2 U4.106 | length 2.7
  Top Layer w0.2: v1(23.6,43.7) 24.1,43.2 24.1,42.3 U4.106@24.125,42.275
  Bottom Layer w0.2: C25.2@23.3,44.6 23.3,44 v1(23.6,43.7)
NetC26_2: C26.2 U4.71 | length 4.3
  Top Layer w0.2: U4.71@42.5,39.9 43.532,39.9 43.826,40.194 43.826,41.784 44.298,42.256 44.298,42.798 C26.2@44.3,42.8
NetC43_2: C43.2 U5.3 U5.4 U5.5 | length 12.8
  Top Layer w0.5: C43.2@17.3,3.7 17.3,4.8 ; U5.5@20.05,5.6 18.1,5.6 17.3,4.8 ; U5.4@20.05,6.87 18.22,6.87 17.3,5.95 ; U5.3@20.05,8.14 18.34,8.14 17.3,7.1 17.3,5.95 ; 17.3,4.8 17.3,5.95
NetC48_2: C48.2 R62.1 R63.2 | length 4
  Top Layer w0.4: R62.1@59.944,22.347 C48.2@62.012,22.347 63.759,22.347 R63.2@63.881,22.225
NetC49_2: C49.2 R68.1 R69.2 | length 3.7
  Top Layer w0.4: R68.1@59.055,46.609 62.611,46.609 R69.2@62.738,46.482
NetD1_1: D1.1 R27.1 | length 1.5
  Top Layer w0.5: D1.1@14.3,35.9 R27.1@15.8,35.9
NetD2_1: D2.1 R30.1 | length 1.5
  Top Layer w0.5: D2.1@14.332,39.5 R30.1@15.8,39.5
NetD3_1: D3.1 R33.1 | length 1.5
  Top Layer w0.5: D3.1@14.332,37.7 R33.1@15.8,37.7
NetG2_1: G2.1 R10.1 | length 1.6
  Top Layer w0.2: G2.1@11.95,29.675 11.95,31.25 R10.1@12,31.3
NetG2_6: G2.6 R11.1 R12.1 R13.2 | length 4.5
  Top Layer w0.3: G2.6@14.05,28.375 15.775,28.375 v1@15.9,28.25 ; R12.1@15.9,27.4 v1@15.9,28.25 ; R13.2@15.9,29.1 v1@15.9,28.25
  Bottom Layer w0.3: R11.1@15.9,27.4 v1(15.9,28.3)
NetG3_4: G3.4 R64.2 R67.2 T1.2 U8.7 | length 82.4
  Top Layer w0.2: 118.004,33.679 U8.7@119.38,33.679
  Top Layer w0.3: 117.675,21.625 117.525,21.775 117.525,33.2 118.004,33.679 ; 118.2,20.4 118.33,20.27 T1.2@119.463,20.27 T1.2@120.733,20.27 T1.2@122.003,20.27
  Top Layer w0.4: R64.2@61.976,32.639 64.686,32.639 65.075,32.25 65.075,28.675 69.846,23.904 113.473,23.904 113.708,23.67 113.708,22.371 112.772,21.436 G3.4@112.744,21.436 ; 116.275,21.925 116.332,21.982 R67.2@116.332,26.548
NetG3_5: G3.5 R63.1 VD1.1 | length 43.5
  Top Layer w0.3: R63.1@65.781,22.225 65.781,22.373 66.031,22.623 67.464,22.623 67.564,22.523 VD1.1@67.564,22.479
  Top Layer w0.4: VD1.1@67.614,22.629 68.363,22.629 68.909,23.175 99.171,23.175 ; G3.5@99.171,19.084 99.171,23.175 ; G3.5@101.127,19.177 101.127,22.336 100.288,23.175 99.171,23.175
NetG4_4: G4.4 R65.2 R66.2 T3.2 U8.1 | length 93.2
  Top Layer w0.2: 118,37.499 118.82,36.679 U8.1@119.38,36.679 ; R66.2@119.345,40.1 R66.2@119.375,40.07
  Top Layer w0.3: 118,37.499 118,39.9 118.2,40.1 R66.2@119.345,40.1
  Top Layer w0.4: R65.2@59.944,32.639 58.561,32.639 56.462,34.738 56.462,47.187 57.55,48.275 117.275,48.275 118.75,46.8 T3.2@118.75,45.57 T3.2@118.75,44.3 T3.2@118.75,43.03 ; 116.25,42.925 116.332,42.843 ; T3.2@119.317,45.63 119.374,45.63 T3.2@119.414,45.67 ; R66.2@119.375,40.1 119.625,40.1 120.7,41.175 120.7,41.9 120,42.6
NetG4_5: G4.5 R69.1 VD2.1 | length 45.3
  Top Layer w0.4: R69.1@64.638,46.482 64.688,46.532 VD2.1@66.375,46.532 98.601,46.532 ; G4.5@99.228,42.162 99.228,45.905 98.601,46.532 ; G4.5@101.23,42.234 101.23,46.053 100.751,46.532 98.601,46.532
NetL5_1: L5.1 X4.0 | length 12.6
  Top Layer w0.4: X4.0@1.725,48.425 4.7,48.425 X4.0@7.675,48.425 ; X4.0@7.675,48.225 8.675,47.225 8.675,46.527 8.934,46.268 8.934,44.516 10.5,42.95 L5.1@10.5,42.7
NetR16_1: R16.1 R19.1 X1.A2 | length 5
  Top Layer w0.4: R19.1@16.3,44.2 16.313,44.213 16.313,45.264 ; X1.A2@16.326,47.206 16.313,47.193 16.313,45.264 ; v1(16.9,45.3) 16.864,45.264 16.313,45.264
  Bottom Layer w0.4: R16.1@16.2,44.2 16.9,44.9 v1(16.9,45.3)
NetR17_1: R17.1 R18.1 X1.A1 | length 4.6
  Top Layer w0.2: R17.1@13.3,44.2 R18.1@14.8,44.2
  Top Layer w0.4: R18.1@14.8,44.2 14.856,44.2 15.056,44.4 X1.A1@15.056,47.206
NetR20_1: R20.1 X1.A3 | length 3
  Top Layer w0.4: X1.A3@17.596,47.206 17.648,47.154 17.648,44.252 R20.1@17.7,44.2
NetR21_2: R21.2 U4.101 | length 6.1
  Top Layer w0.2: U4.101@26.625,42.275 26.6,42.3 26.6,43.327 26.525,43.402 26.152,43.775 26,43.927 26,46.682 26.617,47.299 R21.2@27.2,47.3
NetR22_1: R22.1 X1.A4 | length 3.2
  Top Layer w0.4: X1.A4@18.866,47.206 18.866,44.434 R22.1@19.1,44.2 R22.1@19.2,44.2
NetR23_2: R23.2 U4.102 | length 7.9
  Top Layer w0.2: 25.599,46.099 25.599,43.7 26.1,43.199 26.1,42.3 U4.102@26.125,42.275 ; 25.6,46.1 25.6,47.9 26.5,48.8 27.1,48.8 R23.2@27.2,48.7
NetR24_1: R24.1 U4.69 | length 2.8
  Top Layer w0.2: U4.69@42.525,38.925 U4.69@42.5,38.9 43.7,38.9 44.5,38.1 R24.1@44.6,38.1 R24.1@44.807,38.307
NetR25_1: R25.1 U4.75 | length 7.2
  Top Layer w0.2: U4.75@39.625,42.275 39.625,43.83 41.229,45.435 41.229,47.217 41.513,47.5 R25.1@42.7,47.5
NetR26_1: R26.1 U4.76 | length 8.6
  Top Layer w0.2: U4.76@39.125,42.275 39.125,44.14 40.809,45.824 40.809,46.009 40.81,47.909 41.801,48.9 R26.1@42.7,48.9
NetR28_1: R28.1 U4.114 | length 4.4
  Top Layer w0.2: U4.114@21.25,37.9 23.618,37.9 24.118,37.4 v1@24.2,37.4
  Bottom Layer w0.2: v1(24,37.4) R28.1@25,37.4 R28.1@24.8,37.2
NetR29_1: R29.1 U4.115 | length 4.5
  Top Layer w0.2: U4.115@21.25,37.4 22.8,37.4 v1@24.2,36
  Bottom Layer w0.2: v1(24,36) R29.1@25,36
NetR31_1: R31.1 U4.119 | length 4.5
  Top Layer w0.2: v1@18.893,36.303 19.034,36.303 19.912,35.425 21.225,35.425 U4.119@21.25,35.4
  Bottom Layer w0.2: v1@18.606,36.292 19.208,36.292 19.6,35.9 19.646,35.9 20,35.546 R31.1@20,35.5
  other v1: 18.7,36.3
NetR32_1: R32.1 U4.122 | length 3.6
  Top Layer w0.2: v1(18.9,34.193) 19.015,34.193 19.308,33.9 U4.122@21.25,33.9
  Bottom Layer w0.2: v1(18.9,34.193) 19.993,34.193 R32.1@20,34.2
NetR36_1: R36.1 U4.23 | length 9.2
  Top Layer w0.2: v1@33.7,19.449 33.7,19.4 33.751,19.4 34.125,19.774 U4.23@34.125,21.025
  Bottom Layer w0.2: R36.1@28.972,23.028 29.262,23.028 29.283,23.008 29.283,22.717 29.295,22.705 29.295,21.769 30.764,20.3 33.3,20.3 33.7,19.9 v1(33.7,19.3)
NetR42_1: R42.1 U4.138 | length 4.3
  Top Layer w0.2: U4.138@21.25,25.9 23.001,25.9 23.726,26.625 24.072,26.625 24.123,26.677 v1(24.2,26.6)
  Bottom Layer w0.2: v1(24.2,26.6) R42.1@25.2,26.6
NetR43_1: R43.1 U4.143 | length 4.2
  Top Layer w0.2: U4.143@21.25,23.4 21.275,23.425 22.199,23.425 23.284,24.511 23.284,25.184 v1(23.3,25.2)
  Bottom Layer w0.2: v1(23.3,25.2) R43.1@24.3,25.2
NetR59_1: R59.1 R60.1 R61.1 T2.3 U6.9 U7.1 | length 29
  Top Layer w0.2: U6.9@128.9,22.5 128.9,23.928 129.885,24.913 129.885,27.396 130.157,27.668 130.418,27.668 R60.1@130.7,27.95 ; R59.1@130.689,30.089 R59.1@130.7,30.078 ; 130.725,33.35 130.751,33.324 130.751,32 130.751,28.149 130.751,27.35 ; 133.34,27.031 133.34,23.66 135.6,21.4 138.138,21.4 138.452,21.715 U7.1@138.452,22.6 ; 140,34.6 140.075,34.675
  Top Layer w0.4: R61.1@130.7,32 R61.1@130.751,32
  Top Layer w0.6: R60.1@130.7,28.2 R60.1@130.751,28.149
  Top Layer w1: 140,28.65 140,34.6